# KiCad board sample018-programmable-led-panel.kicad_pcb (continued)
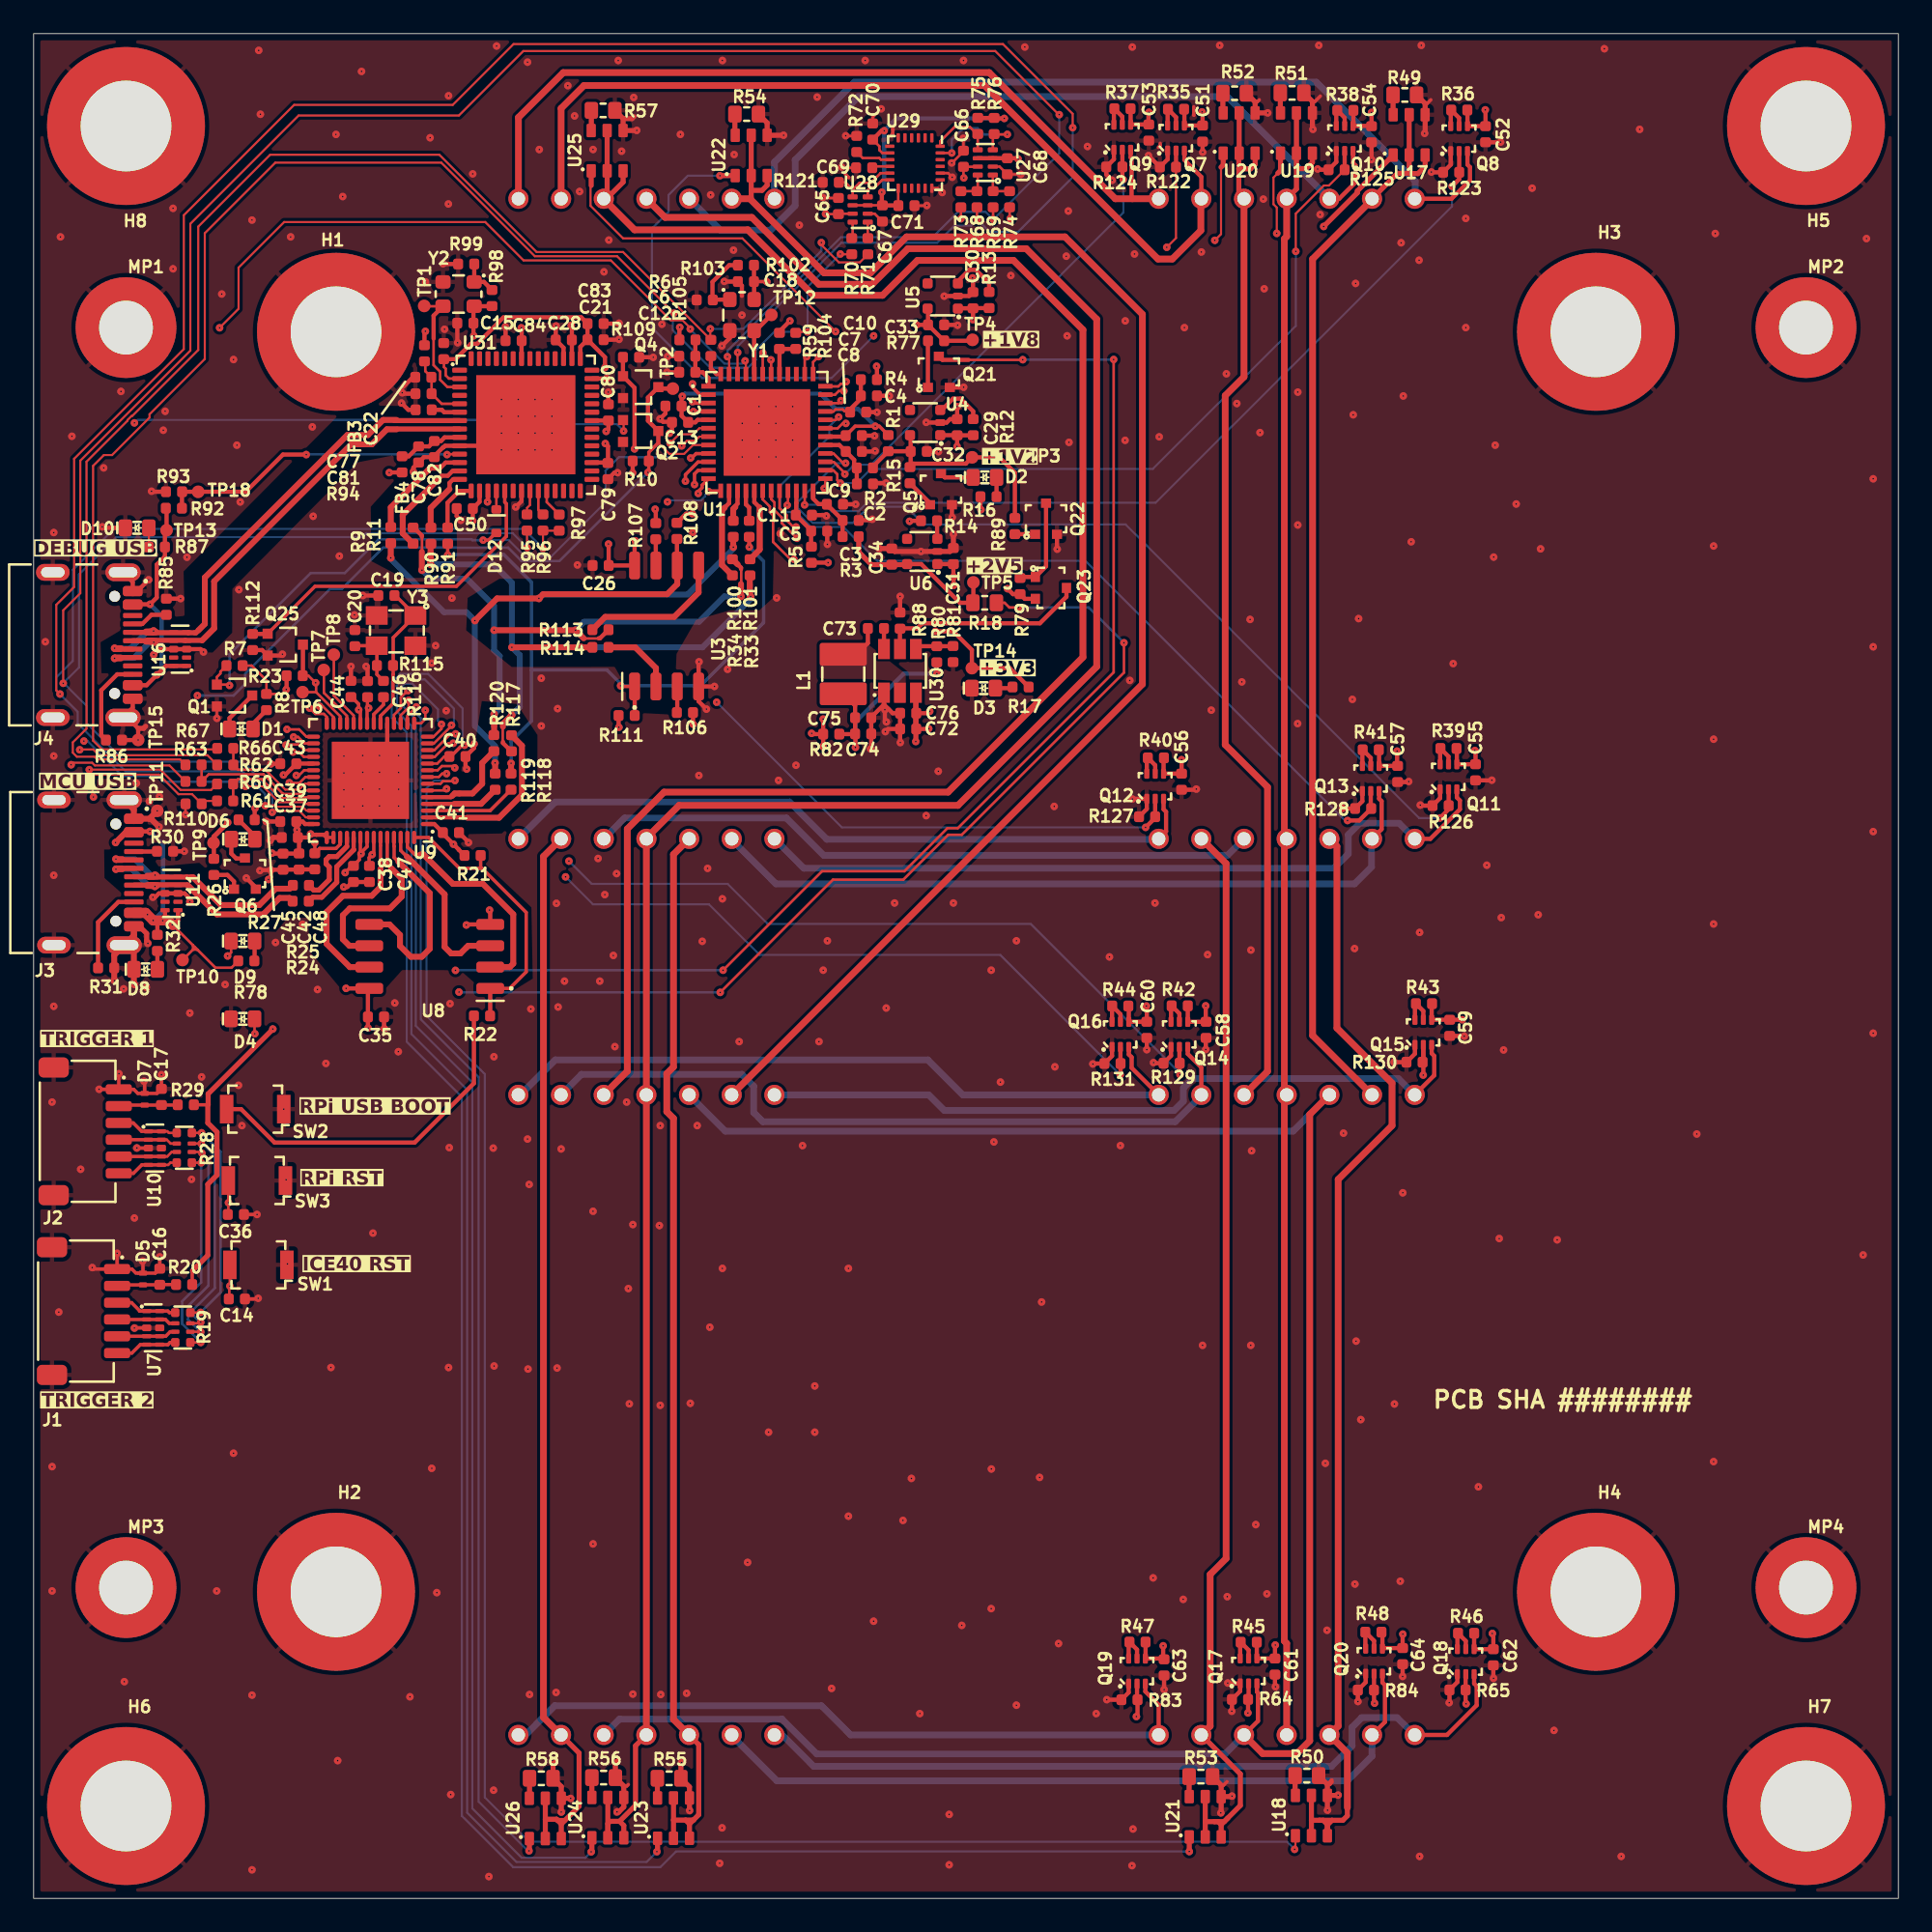
[diagram p0: board, top side]
## Routing (per net, layer and track width the routed paths; a pad name or vN(x,y) marks a point on that pad's centre or on a via; arc(x,y) is an arc through that point) (continued)
VBUS: length 77.3
  Top w0.15: 9.62,56.6 9.48,56.74 ; 9.62,56.6 9.78,56.44 ; 9.62,56.6 9.49,56.48 ; 9.48,56.74 9.49,56.73 9.49,56.48 ; 9.48,56.74 8.28,57.94 ; 9.49,56.48 8.87,55.86 TP10.1 ; 9.49,56.48 9.74,56.48 9.78,56.44 ; 9.78,56.44 10.82,55.4 11.78,55.4 12.18,55.8 R78.1
  Top w0.25: v1(56.39,82.66) 56.36,82.69 R16.1 ; R47.1 66.19,14.29 ; Q18.4 85.75,15.78 ; Q23.2 59,77.35 R79.1 58.29,77.63 v1(57.97,77.96) ; R13.2 55.93,94.66 ; C76.2 53.23,70.55 v1(53.34,70.66) ; 8.01,58.21 7.82,58.4 U11.10 ; Q10.4 79.62,105.51 ; 55.93,87.09 C29.2 54.97,86.43 v1(54.97,86.43) ; 85.35,105.49 C52.2 86.42,106.45 v1(86.41,106.46) ; 68.7,52.18 69.79,52.18 ; 72.82,14.28 C61.2 73.89,15.06 v1(73.91,15.08) ; U11.1 8.59,58.25 8.28,57.94 ; R42.1 68.7,52.18 ; C72.2 53.26,69.61 v1(53.28,69.63) ; 69.77,52.2 v1(69.77,53.13) ; 65.19,52.18 C60.2 66.26,53.1 v1(66.24,53.12) ; U4.1 54.97,87.1 ; 83.22,52.3 83.22,53.24 ; v1(6.92,63.51) 6.02,63.51 ; Q12.4 67.26,67.87 ; U6.1 54.75,79.42 ; v1(66.39,106.32) 66.36,106.29 66.36,105.59 65.31,105.59 ; v1(55.91,93.97) 55.92,93.98 C30.2 55.04,94.65 ; 67.26,66.95 C56.2 68.33,67.78 v1(68.33,67.78) ; Q7.4 68.5,106.48 ; v1(85.04,52.3) C59.2 83.22,52.3 ; v1(85.79,68.33) 85.83,68.29 C55.2 ; v1(67.24,15.03) 67.24,14.28 ; R32.1 7.37,57.96 v1(7.12,58.21) ; 68.5,105.53 C51.2 69.58,106.31 v1(69.55,106.34) ; C31.2 54.75,78.68 v1(54.76,78.67) 54.76,78.17 v1(54.77,78.16) ; 85.35,105.5 85.35,106.44 ; 80.29,15.79 Q20.4 80.32,14.9 C64.2 81.49,15.72 v1(81.5,15.73) ; R45.1 72.81,14.29 ; C57.2 80.09,67.41 ; 85.75,14.83 C62.2 86.89,15.71 v1(86.83,15.77) ; 81.16,67.44 v1(81.16,68.29) ; 80.09,67.41 80.09,68.35 ; 65.3,105.58 65.3,106.52 ; 84.72,68.43 Q11.4 85.83,67.51 ; 65.19,52.18 65.19,53.09 ; R38.1 78.56,105.53 ; 66.18,14.28 67.24,14.28 ; C54.2 v1(79.64,106.31)
  Top w0.3: v1(52.51,68.86) 52.52,68.87 U30.3 52.52,69.63
  Top w0.35: J3.A4 5.49,63.46 v1(4.88,62.85)
  Top w0.6: 8.28,57.94 8.01,58.21 v1(7.12,58.21) 6.67,58.66 J3.A9
  In2.Cu w0.25: 86.79,15.73 v1(86.83,15.77) ; 66.41,106.34 v1(66.39,106.32) ; 85.75,68.29 v1(85.79,68.33) ; 73.86,15.03 v1(73.91,15.08)
  In2.Cu w0.3: 69.76,53.12 v1(69.77,53.13)
  Bottom w0.25: v1(6.92,63.51) 7.7,62.73 7.7,58.79 v1(7.12,58.21)
  vias: v1(6.78,58.56) v1(7.69,58.2) v1(8.25,57.96)
/FPGA/12MHz: length 3.9
  Top w0.25: 42.98,93.32 TP12.1 ; Y1.3 42.89,90.75
/FPGA/ColumnCtrl1: length 82.5
  Top w0.125: U1.6 39.62,87.51 39.26,87.15 38.42,87.15 v1(37.89,86.61)
  Top w0.15: U9.6 24.48,65.95 v1(24.58,66.05)
  Top w0.3: U17.1 78.79,101.63 78.79,101.52 v1(76.79,99.52)
  In3.Cu w0.125: v1(24.58,66.05) 27.48,66.05 38.3,76.87 38.3,83.28 38.14,83.45 38.14,85.36 37.89,85.61 v1(37.89,86.61) 37.89,86.62 38.16,86.89 39.93,86.89 42.96,89.92 45.88,89.92 49.09,93.13 49.09,93.66 54.94,99.51 56.34,99.51 56.35,99.52 v1(76.79,99.52)
/FPGA/ColumnCtrl2: length 146.5
  Top w0.125: v1(75.06,2.92) 75.11,2.97 U18.1
  Top w0.15: v1(25.08,66.54) 25.04,66.5 24.37,66.5 24.22,66.35 U9.7
  Top w0.2: v1(39.11,85.74) 39.17,85.74 39.43,86 40.18,86
  In3.Cu w0.125: v1(39.11,85.74) 38.39,85.02 38.39,84.19 38.55,84.03 38.55,76.73 33.83,72.01 33.8,72.01 27.41,65.62 24.43,65.62 24.09,65.96 24.09,66.14 24.48,66.54 25.08,66.54 v1(25.08,66.54)
  Bottom w0.125: v1(75.06,2.92) 74.61,3.37 29.5,3.37 26.86,6.01 26.86,49.06 23.39,52.53 23.39,66.08 23.85,66.54 25.08,66.54 v1(25.08,66.54)
/FPGA/ColumnCtrl3: length 79.5
  Top w0.125: v1(74,99.11) 74,100.65 73.8,100.84 73.8,102.43 74.06,102.69
  Top w0.15: v1(24.58,66.95) 24.32,66.95 24.12,66.75 U9.8
  Top w0.2: 40.18,85.5 39.55,85.5 38.8,84.75 v1(38.8,84.36)
  Top w0.3: 74.06,102.69 74.22,102.85 U19.1
  In3.Cu w0.125: v1(74,99.11) 55.02,99.11 49.34,93.43 49.34,93.02 45.98,89.67 43.07,89.67 39.52,86.13 39.52,85.08 v1(38.8,84.36) 38.8,76.62 27.53,65.35 24.34,65.35 23.84,65.85 23.84,66.31 24.48,66.95 v1(24.58,66.95)
/FPGA/ColumnCtrl4: length 78.5
  Top w0.125: 70.68,103.05 70.68,99.06 v1(70.31,98.69)
  Top w0.15: U9.9 24.05,67.15 24.3,67.4 24.97,67.4 v1(25.07,67.3)
  Top w0.2: 40.18,85 39.55,85 39.34,84.79 v1(39.34,84.16)
  Top w0.3: U20.1 70.81,103.18 70.68,103.05
  In3.Cu w0.125: v1(70.31,98.69) 55.1,98.69 49.59,93.18 49.59,92.92 46.09,89.42 43.17,89.42 39.86,86.11 39.86,84.68 v1(39.34,84.16) 39.12,83.94 39.12,83.1 39.66,82.56 39.66,76.32 35.11,71.77 34.3,71.77 27.63,65.1 24.24,65.1 23.59,65.75 23.59,66.54 24.41,67.36 25,67.36 v1(25.07,67.3)
/FPGA/ColumnCtrl5: length 158.7
  Top w0.15: U9.11 23.88,67.95 24.69,68.76 v1(24.98,68.76)
  Top w0.2: 40.18,84.5 39.79,84.12 39.79,83.97 39.53,83.71 39.53,83.66 v1(39.56,83.63)
  Top w0.3: U21.1 v1(68.79,2.79)
  In3.Cu w0.125: v1(24.98,68.76) 23.34,67.12 23.34,65.65 24.14,64.85 27.73,64.85 34.4,71.52 35.21,71.52 39.91,76.22 39.91,83.28 v1(39.56,83.63)
  Bottom w0.125: v1(68.79,2.79) 38.24,2.79 37.31,1.86 28.54,1.86 25.49,4.91 25.49,47.71 22.21,50.99 22.21,69.4 21.32,70.29 21.32,72.39 21.82,72.89 23.48,72.89 25.54,70.83 25.54,69.11 25.19,68.76 v1(24.98,68.76)
/FPGA/ColumnCtrl6: length 79.9
  Top w0.15: v1(25.12,69.32) 24.82,69.32 23.85,68.35 U9.12 ; v1(44.86,82.93) 44.9,82.97 44.9,83.78
  Top w0.3: v1(40.85,102.54) 40.86,102.55 U22.1
  In3.Cu w0.125: v1(50,93.01) 50,92.98 45.23,88.21 45.01,88.21 44.77,87.97 44.77,83.02 v1(44.86,82.93) 43.8,82.93 43.32,82.45 43.32,80.49 41.15,78.32 41.15,77.1 35.32,71.27 34.5,71.27 27.84,64.6 24.03,64.6 23.09,65.54 23.09,67.45 24.95,69.32 v1(25.12,69.32)
  Bottom w0.125: v1(50,93.01) 50,93 47.5,90.5 39.8,90.5 36.8,93.5 36.8,99.4 37.8,100.4 37.8,101.4 38.94,102.54 v1(40.85,102.54)
/FPGA/ColumnCtrl7: length 112
  Top w0.15: v1(24.87,69.83) 24.87,69.79 23.83,68.75 U9.13
  Top w0.2: 40.9,83.78 40.21,83.78 v1(40.18,83.74)
  Top w0.3: v1(37.1,2.78) 37.14,2.82 U23.1
  In3.Cu w0.125: v1(37.73,83.13) 37.73,82.14 35.99,80.4 35.87,80.4 25.3,69.83 v1(24.87,69.83)
  Bottom w0.125: v1(37.73,83.13) 37.82,83.22 39.73,83.22 39.97,83.46 39.97,83.54 v1(40.18,83.74) ; v1(24.87,69.83) 25.02,69.98 25.02,70.82 23.28,72.56 21.99,72.56 21.62,72.19 21.62,70.66 22.49,69.79 22.49,51.45 25.81,48.13 25.81,5.1 28.74,2.17 36.49,2.17 v1(37.1,2.78)
/FPGA/ColumnCtrl8: length 123.6
  Top w0.15: v1(24.28,69.89) 24.28,69.62 23.81,69.15 U9.14 ; v1(45.38,81.63) 45.23,81.63 44.83,82.03 44.83,82.32 44.4,82.75 44.4,83.78
  Top w0.3: v1(33.19,2.77) 33.23,2.81 U24.1
  In3.Cu w0.125: v1(24.28,69.89) 22.84,68.45 22.84,65.06 23.55,64.35 27.94,64.35 34.61,71.02 35.42,71.02 41.48,77.08 41.48,78.29 43.66,80.47 43.66,82.24 44.01,82.59 44.42,82.59 v1(45.38,81.63)
  Bottom w0.125: v1(33.19,2.77) 32.84,2.42 29.05,2.42 26.12,5.35 26.12,48.57 22.75,51.94 22.75,70.18 21.87,71.06 21.87,72.09 22.08,72.3 22.54,72.3 24.07,70.78 24.07,70.1 v1(24.28,69.89)
/FPGA/ColumnCtrl9: length 99.9
  Top w0.125: v1(47.74,93.26) 42.19,98.81 35.09,98.81 33.15,100.75 33.15,101.92 33.19,101.96
  Top w0.15: U9.15 23.07,69.95 23.32,70.2 v1(23.32,70.72) ; 43.9,83.78 43.9,83.29 44.1,83.09 44.1,82.63 44.53,82.2 44.53,81.87 v1(45.44,80.96)
  Top w0.3: U25.1 33.19,101.96
  In3.Cu w0.125: v1(47.74,93.26) 47.74,92.21 45.72,90.19 42.88,90.19 40.27,87.58 38.07,87.58 38.02,87.62 37.68,87.62 37.44,87.38 37.44,87.04 35.67,85.27 33.39,85.27 29.79,81.67 28.87,81.67 28.03,80.83 28.03,75.39 23.36,70.72 v1(23.32,70.72) 23.32,69.39 22.59,68.66 22.59,64.96 23.45,64.1 28.04,64.1 33.17,69.23 34.94,69.23 35.5,69.79 35.5,70.75 41.83,77.08 42.85,77.08 43.13,77.36 43.13,78.65 v1(45.44,80.96)
/FPGA/ColumnCtrl10: length 115.3
  Top w0.15: U9.16 22.25,70.4 v1(22.78,70.92) ; v1(45.26,79.71) 45.05,79.71 44.01,80.74 44.01,82.33 43.82,82.52 43.82,82.84 43.4,83.27 43.4,83.78
  Top w0.3: v1(29.49,2.83) 29.51,2.85 U26.1
  In3.Cu w0.125: v1(22.78,70.92) 22.34,70.49 22.34,64.85 23.34,63.85 28.15,63.85 33.28,68.98 35.05,68.98 39.2,73.13 39.2,73.78 39.44,74.02 40.57,74.02 43.43,76.88 43.43,78.6 44.55,79.71 v1(45.26,79.71)
  Bottom w0.125: v1(29.49,2.83) 29.42,2.83 26.49,5.76 26.49,48.88 23.05,52.32 23.05,70.25 22.78,70.52 v1(22.78,70.92)
/FPGA/FPGA_CDONE: length 40.8
  Top w0.125: U1.7 39.62,87.01 39.38,86.77 38.89,86.77 v1(38.58,86.46)
  Top w0.15: v1(11.66,72.2) 11.61,72.25 10.91,72.25 10.91,72.7 11.12,72.91 11.12,73.02 R7.1
  Top w0.2: 27.52,81.29 27.08,80.85 v1(26.76,80.85)
  Bottom w0.125: v1(38.58,86.46) 37.91,85.79 34.84,85.79 34.04,84.99 34.04,83.1 30.81,79.87 29.26,79.87 28.28,80.85 v1(26.76,80.85)
  Bottom w0.15: v1(26.76,80.85) 26.12,80.85 26.07,80.9 20.53,80.9 18.52,78.89 16.49,78.89 11.66,74.06 v1(11.66,72.2)
/FPGA/FPGA_SPI.CS: length 42
  Top w0.2: v1(34.94,72.18) 34.98,72.14 U3.1 ; v1(24.65,79.96) R91.2
  Top w0.25: 35.78,70.57 35.78,72.13 ; R101.1 42.59,80.44 v1(42.6,80.44)
  Top w0.35: 28.42,66.96 v1(28.42,67.57)
  Bottom w0.2: v1(42.6,80.44) 43.45,79.59 43.45,75.94 39.69,72.18 v1(34.94,72.18) 34.94,72.31 34.13,73.12 29.63,73.12 ; 29.63,73.12 29.63,78.35 27.99,79.99 24.68,79.99 v1(24.65,79.96) ; 29.63,73.12 29.63,70.08 28.42,68.87 v1(28.42,67.57)
/FPGA/FPGA_SPI.MISO: length 38.1
  Top w0.125: 27.94,69.75 27.94,69.96 ; 42.63,78.74 42.63,77.94 ; 23.63,80.65 23.63,79.85
  Top w0.15: 27.94,68.85 27.92,68.86 27.92,69.73 27.94,69.75
  Top w0.25: 28.44,68.27 27.94,68.77 27.94,68.85
  Top w0.35: v1(28.47,74.47) v1(32.58,74.47) 32.58,74.47 R114.1 ; v1(28.46,70.44) 27.94,69.92 27.94,69.75 ; 23.63,80.12 23.63,79.41 ; 23.63,79.41 v1(23.63,79.41) ; 23.63,79.41 23.63,80.65 ; 42.63,78.74 42.63,77.49 42.63,78.21
  Bottom w0.35: v1(28.46,70.44) 28.94,70.92 28.94,74 v1(28.47,74.47) 28.47,78.31 27.38,79.41 v1(23.63,79.41) ; v1(42.68,77.49) 42.68,77.33 39.82,74.47 v1(32.58,74.47)
/FPGA/FPGA_SPI.MOSI: length 38.2
  Top w0.125: 27.41,69.24 27.41,70.04
  Top w0.15: 33.64,75.01 33.63,75 32.75,75 32.74,75.01 ; 42.11,78.24 42.12,78.25 42.12,79.12 42.11,79.13 ; 23.11,81.05 23.12,81.04 23.12,80.16 23.11,80.15
  Top w0.25: 41.6,79.72 42.11,79.21 42.11,79.13 ; R113.1 33.71,75.01 33.64,75.01 ; 23.11,81.05 23.11,81.12 22.6,81.63
  Top w0.35: 27.41,69.78 27.41,70.49 ; 27.41,70.49 27.41,69.24 ; 27.41,70.49 v1(27.41,70.49) ; v1(23.12,79.06) 23.11,79.07 23.11,80.15 ; 42.11,78.24 42.11,77.5 ; v1(27.41,75.49) v1(32.26,75.49) 32.74,75.01 ; 41.6,79.71 41.91,79.41
  Bottom w0.35: v1(27.41,70.49) 27.74,70.82 27.74,73.96 27.41,74.29 v1(27.41,75.49) 27.41,76.94 25.8,78.55 23.63,78.55 v1(23.12,79.06) ; v1(32.26,75.49) 32.76,75.99 39.61,75.99 41.12,77.5 v1(42.1,77.5)
/FPGA/FPGA_SPI.SCK: length 46.2
  Top w0.25: R108.1 38.29,79.36
  Top w0.35: v1(41.65,80.43) 41.65,80.44 R100.1 ; R119.2 27.47,67.58 v1(27.47,67.59) ; 38.31,79.34 38.31,78.23 37.71,77.63 30.33,77.63 v1(30.08,77.38) 27.59,77.38 v1(26.27,76.06) ; v1(21.26,79.79) 21.26,80.66
  Bottom w0.35: v1(21.26,79.79) 21.26,79.73 24.43,76.56 25.77,76.56 v1(26.27,76.06) 26.27,69.79 27.47,68.59 v1(27.47,67.59) ; v1(41.65,80.43) 41.65,80.34 38.92,77.61 30.31,77.61 v1(30.08,77.38)
/FPGA/IMU.FSYNC: length 92.2
  Top w0.125: v1(48.02,97.88) 48.03,97.87 R70.1 ; v1(38.12,94.36) 34.73,97.75 29.84,97.75 24.27,103.32 14.39,103.32 10.19,99.12 10.19,91.63 6.9,88.34 6.9,88.15 4.67,85.91 4.18,85.91 3.54,85.27 3.54,68.92 4.06,68.39 10.87,68.39 ; v1(46.07,93.24) 45.41,93.24
  Bottom w0.125: v1(38.12,94.36) 38.05,94.29 38.05,93.35 40.29,91.11 42.52,91.11 43,91.58 43,92.16 44.08,93.24 v1(46.07,93.24) 46.07,95.93 v1(48.02,97.88)
/FPGA/IMU.INT: length 91.5
  Top w0.125: R67.1 8.72,67.8 3.79,67.8 3.63,67.96 2.57,67.96 2.33,68.2 2.33,68.81 3.15,69.63 3.15,85.52 5.59,87.96 5.59,88 5.83,88.24 5.87,88.24 9.8,92.17 9.8,99.51 14.08,103.79 24.15,103.79 29.94,98 35.09,98 R105.1 ; R71.1 49.18,97.38 47.93,97.38 46.89,98.43 v1(46.89,98.56) ; v1(40.28,93.43) 40.28,92.81
  Bottom w0.125: v1(46.89,98.56) 46.89,98.07 42.25,93.43 v1(40.28,93.43)
/FPGA/IMU.SCL: length 173
  Top w0.125: 41.4,90.74 41.4,91.67 v1(41.3,91.77) ; v1(1.76,72.33) 1.76,76.67 2.78,77.69 2.78,85.58 9.33,92.13 9.33,99.68 15.78,106.12 25.31,106.12 29.15,109.96 57.24,109.96 61.03,106.18 v1(61.05,106.18) ; R95.2 29.37,80.41 v1(29.38,80.4) ; U9.41 16.2,64.35 15.82,64.73 14.29,64.73 v1(14.2,64.65)
  Top w0.15: v1(57.12,99.94) 57.11,99.95 R69.1
  Bottom w0.125: v1(41.3,91.77) 41.3,92.13 41.33,92.16 41.33,92.16 48.06,98.88 53.52,98.88 55.03,100.39 56.67,100.39 v1(57.12,99.94) 61.05,103.87 v1(61.05,106.18) ; v1(14.2,64.65) 14.2,65.9 12.44,67.66 5.45,67.66 3.16,69.95 3.16,70.97 1.93,72.2 1.89,72.2 v1(1.76,72.33) 2.7,73.27 2.7,78.81 4.92,81.03 19.56,81.03 19.79,81.26 28.52,81.26 v1(29.38,80.4)
/FPGA/IMU.SDA: length 179.7
  Top w0.125: v1(41.91,92.02) 41.9,92.01 41.9,90.74 ; R96.2 v1(30.32,80.35) ; v1(13.78,65.04) 13.8,65.06 14.38,65.06 14.45,64.98 16,64.98 16.24,64.75 U9.40 ; v1(61.85,105.4) 61.85,106.22 57.7,110.38 28.56,110.38 24.95,106.76 15.51,106.76 8.94,100.19 8.94,92.22 2.41,85.69 2.41,78.06 1.35,77 1.35,71.91 v1(1.57,71.69) ; R97.2 30.33,81.41
  Top w0.15: R68.1 56.15,99.94 v1(56.17,99.92)
  In2.Cu w0.125: 56.09,100 v1(56.17,99.92)
  Bottom w0.125: v1(13.78,65.04) 13.78,65.74 12.43,67.09 5.48,67.09 2.62,69.95 2.62,70.64 v1(1.57,71.69) 1.35,71.91 1.35,72.68 2.33,73.66 2.33,79.08 4.77,81.51 29.16,81.51 v1(30.32,80.35) ; v1(41.91,92.02) 41.91,92.38 48.08,98.55 53.79,98.55 54.81,99.57 55.82,99.57 v1(56.17,99.92) 56.18,99.92 56.9,99.2 58.6,99.2 61.85,102.45 v1(61.85,105.4)
/FPGA/RowCtrl1: length 36.5
  Top w0.125: R122.2 68,98.83 v1(67.45,98.28)
  Top w0.15: 47.12,84.5 47.12,84 v1(47.06,83.93)
  Top w0.25: Q7.2 68,103.06
  In3.Cu w0.125: v1(67.45,98.28) 67.37,98.36 55.93,98.36 50.41,92.84 50.41,92.84 50.17,92.6 50.1,92.6 46.74,89.23 46.74,84.25 v1(47.06,83.93)
/FPGA/RowCtrl2: length 50.5
  Top w0.15: 45.9,83.78 45.9,82.95 v1(45.89,82.95)
  Top w0.25: 84.86,103.99 R123.2 84.86,102.34 v1(84.43,101.91)
  Bottom w0.125: v1(84.43,101.91) 84.43,100.72 66.79,83.08 49.61,83.08 49.11,82.57 47.49,82.57 47.12,82.95 v1(45.89,82.95)
/FPGA/RowCtrl3: length 78.2
  Top w0.15: v1(48.29,84.78) 48.29,84.84 47.88,85.24 47.88,85.25 47.63,85.5 47.12,85.5 ; U9.17 21.85,70.42 22.32,70.89 v1(22.32,71.32)
  Top w0.25: v1(64.86,102.31) 64.81,102.36 R124.2 64.81,104.07
  In3.Cu w0.125: v1(48.29,84.78) 47.8,84.78 47.47,84.45 47.47,83.19 46.53,82.25 46.52,82.25 46.14,81.87 46.14,78.74 35.88,68.48 33.81,68.48 29.71,64.38 29.71,62.42 29.32,62.03 23.91,62.03 21.25,64.69 21.25,70.25 v1(22.32,71.32)
  Bottom w0.125: v1(64.86,102.31) 64.86,100.35 49.85,85.34 48.85,85.34 v1(48.29,84.78)
/FPGA/RowCtrl4: length 95.9
  Top w0.125: R125.2 77.1,101.96 76.8,101.96 75.13,100.29 v1(75.13,98.04)
  Top w0.15: 47.12,85 47.61,85 47.84,84.77 47.84,84.43 v1(48.02,84.24) ; U9.18 21.45,70.44 21.86,70.85 21.86,71.49 22.14,71.77 22.16,71.77 v1(22.28,71.89)
  Top w0.25: R125.2 78.04,104.01
  In3.Cu w0.125: v1(48.02,84.24) 48.02,82.31 46.39,80.68 46.39,77.64 41.5,72.75 40.55,72.75 36.04,68.23 34.04,68.23 29.96,64.15 29.96,62.17 29.52,61.73 23.86,61.73 21,64.58 21,67.2 21,67.2 21,67.86 21,67.86 21,68.2 21,68.2 21,70.61 v1(22.28,71.89)
  Bottom w0.125: v1(48.02,84.24) 48.99,84.24 49.84,85.09 66.62,85.09 75.13,93.6 v1(75.13,98.04)
/FPGA/RowCtrl5: length 108.4
  Top w0.15: v1(17.02,70.96) 17.21,70.96 17.85,70.32 U9.27 ; v1(48.33,85.43) 48.19,85.43 47.62,86 47.12,86
  Top w0.25: v1(83.71,64.31) 84.23,64.83 R126.2 84.23,66
  In3.Cu w0.125: v1(17.02,70.96) 19.16,68.82 19.16,64.83 22.63,61.36 29.72,61.36 30.23,61.87 30.23,63.95 34.26,67.98 36.14,67.98 39.89,71.73 40.83,71.73 46.84,77.73 46.84,80.77 48.52,82.46 48.52,84.43 48.7,84.61 48.7,85.06 v1(48.33,85.43)
  Bottom w0.125: v1(83.71,64.31) 82.47,64.31 64.99,81.79 52.98,81.79 51.94,82.83 49.72,82.83 48.77,81.88 46.38,81.88 45.48,82.78 45.48,83.12 47.79,85.43 v1(48.33,85.43)
/FPGA/RowCtrl6: length 93
  Top w0.15: v1(16.43,70.85) 16.77,70.51 17.27,70.51 17.45,70.33 U9.28 ; 47.12,87.5 47.86,87.5 48.16,87.8 v1(48.35,87.8)
  Top w0.25: R127.2 66.76,65.45 ; 66.76,64.32 v1(66.19,63.75)
  In3.Cu w0.125: v1(16.43,70.85) 18.91,68.37 18.91,64.38 22.26,61.03 29.99,61.03 30.61,61.65 30.61,63.93 34.41,67.73 36.25,67.73 39.72,71.2 v1(40.66,71.2) 49.11,79.66 49.11,82.6 49.15,82.6 49.55,83 49.55,84.8 48.07,86.28 48.07,86.33 47.51,86.89 47.51,88.39 47.75,88.63 48.05,88.63 48.35,88.33 v1(48.35,87.8)
  Bottom w0.125: v1(40.66,71.2) 48.11,63.75 v1(66.19,63.75)
/FPGA/RowCtrl7: length 112.5
  Top w0.15: U9.29 16.24,69.15 15.81,69.58 15.09,69.58 v1(15.08,69.59) ; 47.12,88 47.74,88 v1(47.92,88.18)
  Top w0.25: R128.2 78.91,64.16 v1(78.21,64.16) ; 79.59,65.91 79.59,64.9
  In3.Cu w0.125: v1(47.92,88.18) 47.92,86.84 49.91,84.85 49.91,82.66 49.36,82.12 49.36,78.96 37.38,66.98 35.31,66.98 32.19,63.86 32.19,62.74 30.11,60.67 20.42,60.67 17.9,63.19 17.9,67.29 15.6,69.59 v1(15.08,69.59)
  Bottom w0.125: v1(47.92,88.18) 47.37,87.63 47.37,87.01 44.45,84.09 44.45,82.76 44.69,82.52 45.39,82.52 46.28,81.63 48.21,81.63 50.22,79.62 62.6,79.62 78.06,64.16 v1(78.21,64.16)
/FPGA/RowCtrl8: length 105.7
  Top w0.15: U9.30 16.13,68.75 15.75,69.13 v1(15.47,69.13) ; v1(48.06,89.15) 47.91,89 47.12,89
  Top w0.25: R129.2 68.22,49.05 v1(68.24,49.03) ; Q14.2 68.2,49.73
  In3.Cu w0.125: v1(48.06,89.15) 49.65,87.56 49.65,86.02 49.83,85.83 49.84,85.83 50.23,85.44 50.23,82.37 50.33,82.27 50.33,81.92 49.61,81.2 49.61,78.86 37.49,66.73 35.59,66.73 32.47,63.61 32.47,62.35 v1(31.87,61.75) 30.46,60.34 20.33,60.34 17.37,63.3 17.37,67.24 v1(15.47,69.13)
  Bottom w0.125: v1(68.24,49.03) 68.24,49.12 59.36,58.01 43.69,58.01 41.31,60.39 33.22,60.39 v1(31.87,61.75)
/FPGA/RowCtrl9: length 146.2
  Top w0.15: v1(15.02,68.66) 15.05,68.68 15.77,68.68 16.11,68.35 U9.31 ; 46.4,90.72 46.4,91.45 v1(46.72,91.77)
  Top w0.25: 82.72,49.82 82.72,50.8 82.72,49.02 v1(82.71,49.01)
  In3.Cu w0.125: v1(82.71,49.01) 83.72,49.01 86.74,52.03 86.74,60.45 87.51,61.22 87.51,80.81 79.63,88.69 79.63,99.82 77.49,101.96 66.64,101.96 65.74,101.06 54.96,101.06 46.72,92.82 v1(46.72,91.77) 45.39,90.44 42.78,90.44 40.17,87.83 38.17,87.83 37.52,88.48 34.37,88.48 30.94,85.05 26.73,85.05 22.11,80.43 22.11,77.19 17.49,72.58 17.49,72.1 16.77,71.38 16.29,71.38 14.67,69.76 14.67,69.01 v1(15.02,68.66)
/FPGA/RowCtrl10: length 103.6
  Top w0.15: U9.32 16.08,67.95 15.8,68.23 v1(15.45,68.23) ; v1(48.23,89.73) 47.93,89.73 47.7,89.5 47.12,89.5
  Top w0.25: R131.2 64.7,49.04 v1(64.68,49.02) ; Q16.2 64.69,49.7
  In3.Cu w0.125: v1(48.23,89.73) 49.91,88.04 50.34,88.04 51.15,87.23 51.15,80.04 37.59,66.48 35.79,66.48 32.77,63.46 32.77,61.91 v1(31.66,60.81) 30.91,60.05 20.07,60.05 19.33,60.79 19.33,60.92 17.01,63.24 17.01,63.59 16.88,63.72 16.88,66.8 v1(15.45,68.23)
  Bottom w0.125: v1(64.68,49.02) 57.54,56.16 43.21,56.16 40.2,59.17 33.3,59.17 v1(31.66,60.81)
/FPGA/RowCtrl11: length 138.8
  Top w0.15: U9.34 16.1,67.15 15.8,66.84 v1(15.64,66.84) ; 47.12,90 47.9,90 48.05,90.15 48.24,90.15 v1(48.37,90.28)
  Top w0.25: v1(72.28,11.04) 72.29,11.05 R64.2 ; Q17.2 72.32,11.88
  In3.Cu w0.125: v1(48.37,90.28) 48.99,90.28 51.4,87.87 51.4,79.94 37.69,66.23 36.17,66.23 34.73,64.79 34.73,61.81 32.67,59.75 19.67,59.75 18.77,60.65 18.02,60.65 15.23,63.44 15.23,64.61 15.64,65.02 v1(15.64,66.84) ; v1(72.28,11.04) 71.66,11.66 67.41,11.66 65.82,10.07 65.06,10.07 32.65,42.48 32.65,59.73
/FPGA/RowCtrl12: length 155.4
  Top w0.15: 43.4,90.72 43.4,91.98 v1(43.41,91.99) ; v1(15.22,66.41) 15.24,66.4 15.82,66.4 16.18,66.75 U9.35
  Top w0.25: v1(85.27,11.58) 85.24,11.61 85.24,13.33
  In3.Cu w0.125: v1(43.41,91.99) 43.39,91.97 43.39,91.4 42.68,90.69 42.67,90.69 40.07,88.09 38.41,88.09 37.66,88.84 34.13,88.84 31.07,85.78 26.16,85.78 20.53,80.15 20.53,76.9 17.24,73.61 17.24,72.22 16.79,71.78 16.34,71.78 13.72,69.16 13.72,67.36 14.67,66.41 v1(15.22,66.41) 15.22,65.89 14.87,65.54 14.87,63.21 21.16,56.92 24.41,56.92 26.39,54.94 26.39,46.85 65.27,7.97 84.02,7.97 85.27,9.22 v1(85.27,11.58)
/FPGA/RowCtrl13: length 146.2
  Top w0.15: v1(46.02,91.77) 45.9,91.65 45.9,90.72
  Top w0.25: R83.2 65.71,10.89 v1(65.64,10.82) ; Q19.2 65.68,11.85
  In3.Cu w0.125: v1(46.02,91.77) 46.02,92.48 55.4,101.86 65.48,101.86 65.87,102.25 80.16,102.25 80.77,101.64 80.77,89.14 88.41,81.5 88.41,39.04 65.64,16.27 v1(65.64,10.82)
/FPGA/RowCtrl14: length 150
  Top w0.15: 43.9,90.72 43.9,91.57 v1(43.89,91.58)
  Top w0.25: v1(79.82,11.62) 79.78,11.66 R84.2 79.78,13.37
  In3.Cu w0.125: v1(43.89,91.58) 43.89,94.34 56.3,106.75 75.55,106.75 77.78,104.52 83.34,104.52 86.14,101.72 86.14,86.07 89.06,83.15 89.06,38.35 79.82,29.11 v1(79.82,11.62)
/FPGA/Trig.CAM: length 118.9
  Top w0.125: 42.4,90.74 42.4,91.47 v1(42.35,91.52) ; v1(3.31,67.19) 7.54,67.19 8.75,65.98 10.56,65.98 R60.2 ; v1(39.09,93.41) 39.09,93.48 38.63,93.93 37.93,93.93 34.36,97.5 29.17,97.5 26.88,99.78 14.91,99.78 12.2,97.07 12.2,94.62 v1(11.07,93.49)
  Top w0.15: v1(9.94,34.88) 9.93,34.87 R19.8 ; v1(10,45.57) 10,45.57 R28.8
  In2.Cu w0.125: v1(3.31,67.19) 3.18,67.19 3.15,67.16 3.29,67.16 3.41,67.28 3.41,69.06 2.98,69.49 2.98,85.39 9.73,92.14 9.75,92.14 11.09,93.48 11.08,93.48 v1(11.07,93.49)
  In3.Cu w0.125: 3.15,67.16 3.15,46.65 4.23,45.57 v1(10,45.57)
  Bottom w0.125: v1(42.35,91.52) 42.19,91.36 41.13,91.36 39.09,93.4 v1(39.09,93.41)
  Bottom w0.15: v1(9.94,34.88) 11.13,36.07 11.13,44.44 v1(10,45.57)
/FPGA/Trig.EXT1: length 107.2
  Top w0.125: v1(2.74,68.37) 2.76,68.39 3.55,68.39 3.89,68.05 10.35,68.05 R62.2
  Top w0.15: R28.6 9.95,44.43 v1(10.02,44.36) ; v1(9.95,33.72) 9.94,33.73 R19.6
  Top w0.2: 40.18,88.5 39.28,88.5 v1(39.27,88.5)
  In3.Cu w0.125: v1(10.02,44.36) 9.92,44.26 4.54,44.26 2.65,46.15 2.65,68.28 v1(2.74,68.37) 2.58,68.53 2.58,69.06 2.74,69.22 2.74,73.3 5.72,76.27 9.04,76.27 20.43,87.66 22.43,87.66 26.69,91.92 35.66,91.92 36.32,91.26 38.69,91.26 39.63,90.32 39.63,89.77 39.36,89.5 39.1,89.5 38.78,89.82 38.44,89.82 38.2,89.58 38.2,89.23 38.93,88.5 v1(39.27,88.5)
  Bottom w0.15: v1(9.95,33.72) 9.92,33.72 9.19,34.45 9.19,35.26 10.4,36.47 10.4,43.98 v1(10.02,44.36)
/FPGA/Trig.EXT2: length 105.4
  Top w0.125: v1(2.24,67.48) 2.36,67.6 3.48,67.6 3.65,67.44 8.09,67.44 R63.2
  Top w0.15: R28.5 9.97,43.79 v1(9.98,43.78) ; v1(9.95,33.09) 9.95,33.09 R19.5
  Top w0.2: v1(39.22,89.09) 39.31,89 40.18,89
  In3.Cu w0.125: v1(9.98,43.78) 4.48,43.78 2.4,45.86 2.4,67.6 ; v1(39.22,89.09) 39.32,89.09 40.16,89.93 40.16,90.33 38.22,92.27 26.37,92.27 22.14,88.04 20.26,88.04 8.74,76.52 5.36,76.52 2.34,73.5 2.34,69.84 2.24,69.74 v1(2.24,67.48)
  Bottom w0.15: v1(9.98,43.78) 9.97,43.77 9.97,36.67 8.84,35.54 8.84,34.2 v1(9.95,33.09)
/FPGA/Trig.LED: length 108.5
  Top w0.125: v1(12.61,66.19) 13.65,66.19 14.6,65.25 16.09,65.25 16.19,65.15 U9.39
  Top w0.15: R19.7 9.88,34.23 v1(9.95,34.3) ; R28.7 v1(9.98,44.93)
  Top w0.2: v1(39.22,90.15) 39.22,89.95 39.67,89.5 40.18,89.5
  In3.Cu w0.125: v1(39.22,90.15) 36.39,90.15 35,91.54 27,91.54 22.67,87.21 20.63,87.21 9.3,75.88 5.68,75.88 2.99,73.19 v1(2.99,68.89) 3.16,68.73 3.16,67.87 2.9,67.62 2.9,46.4 4.22,45.08 9.83,45.08 v1(9.98,44.93)
  Bottom w0.125: v1(2.99,68.89) 3.22,68.89 5.32,66.79 7.44,66.79 7.76,66.47 12.34,66.47 v1(12.61,66.19)
  Bottom w0.15: v1(9.98,44.93) 10.05,44.93 10.79,44.19 10.79,36.33 9.51,35.06 9.51,34.69 9.91,34.3 v1(9.95,34.3)